# KiCad board FrontEnd_5G.kicad_pcb (continued)
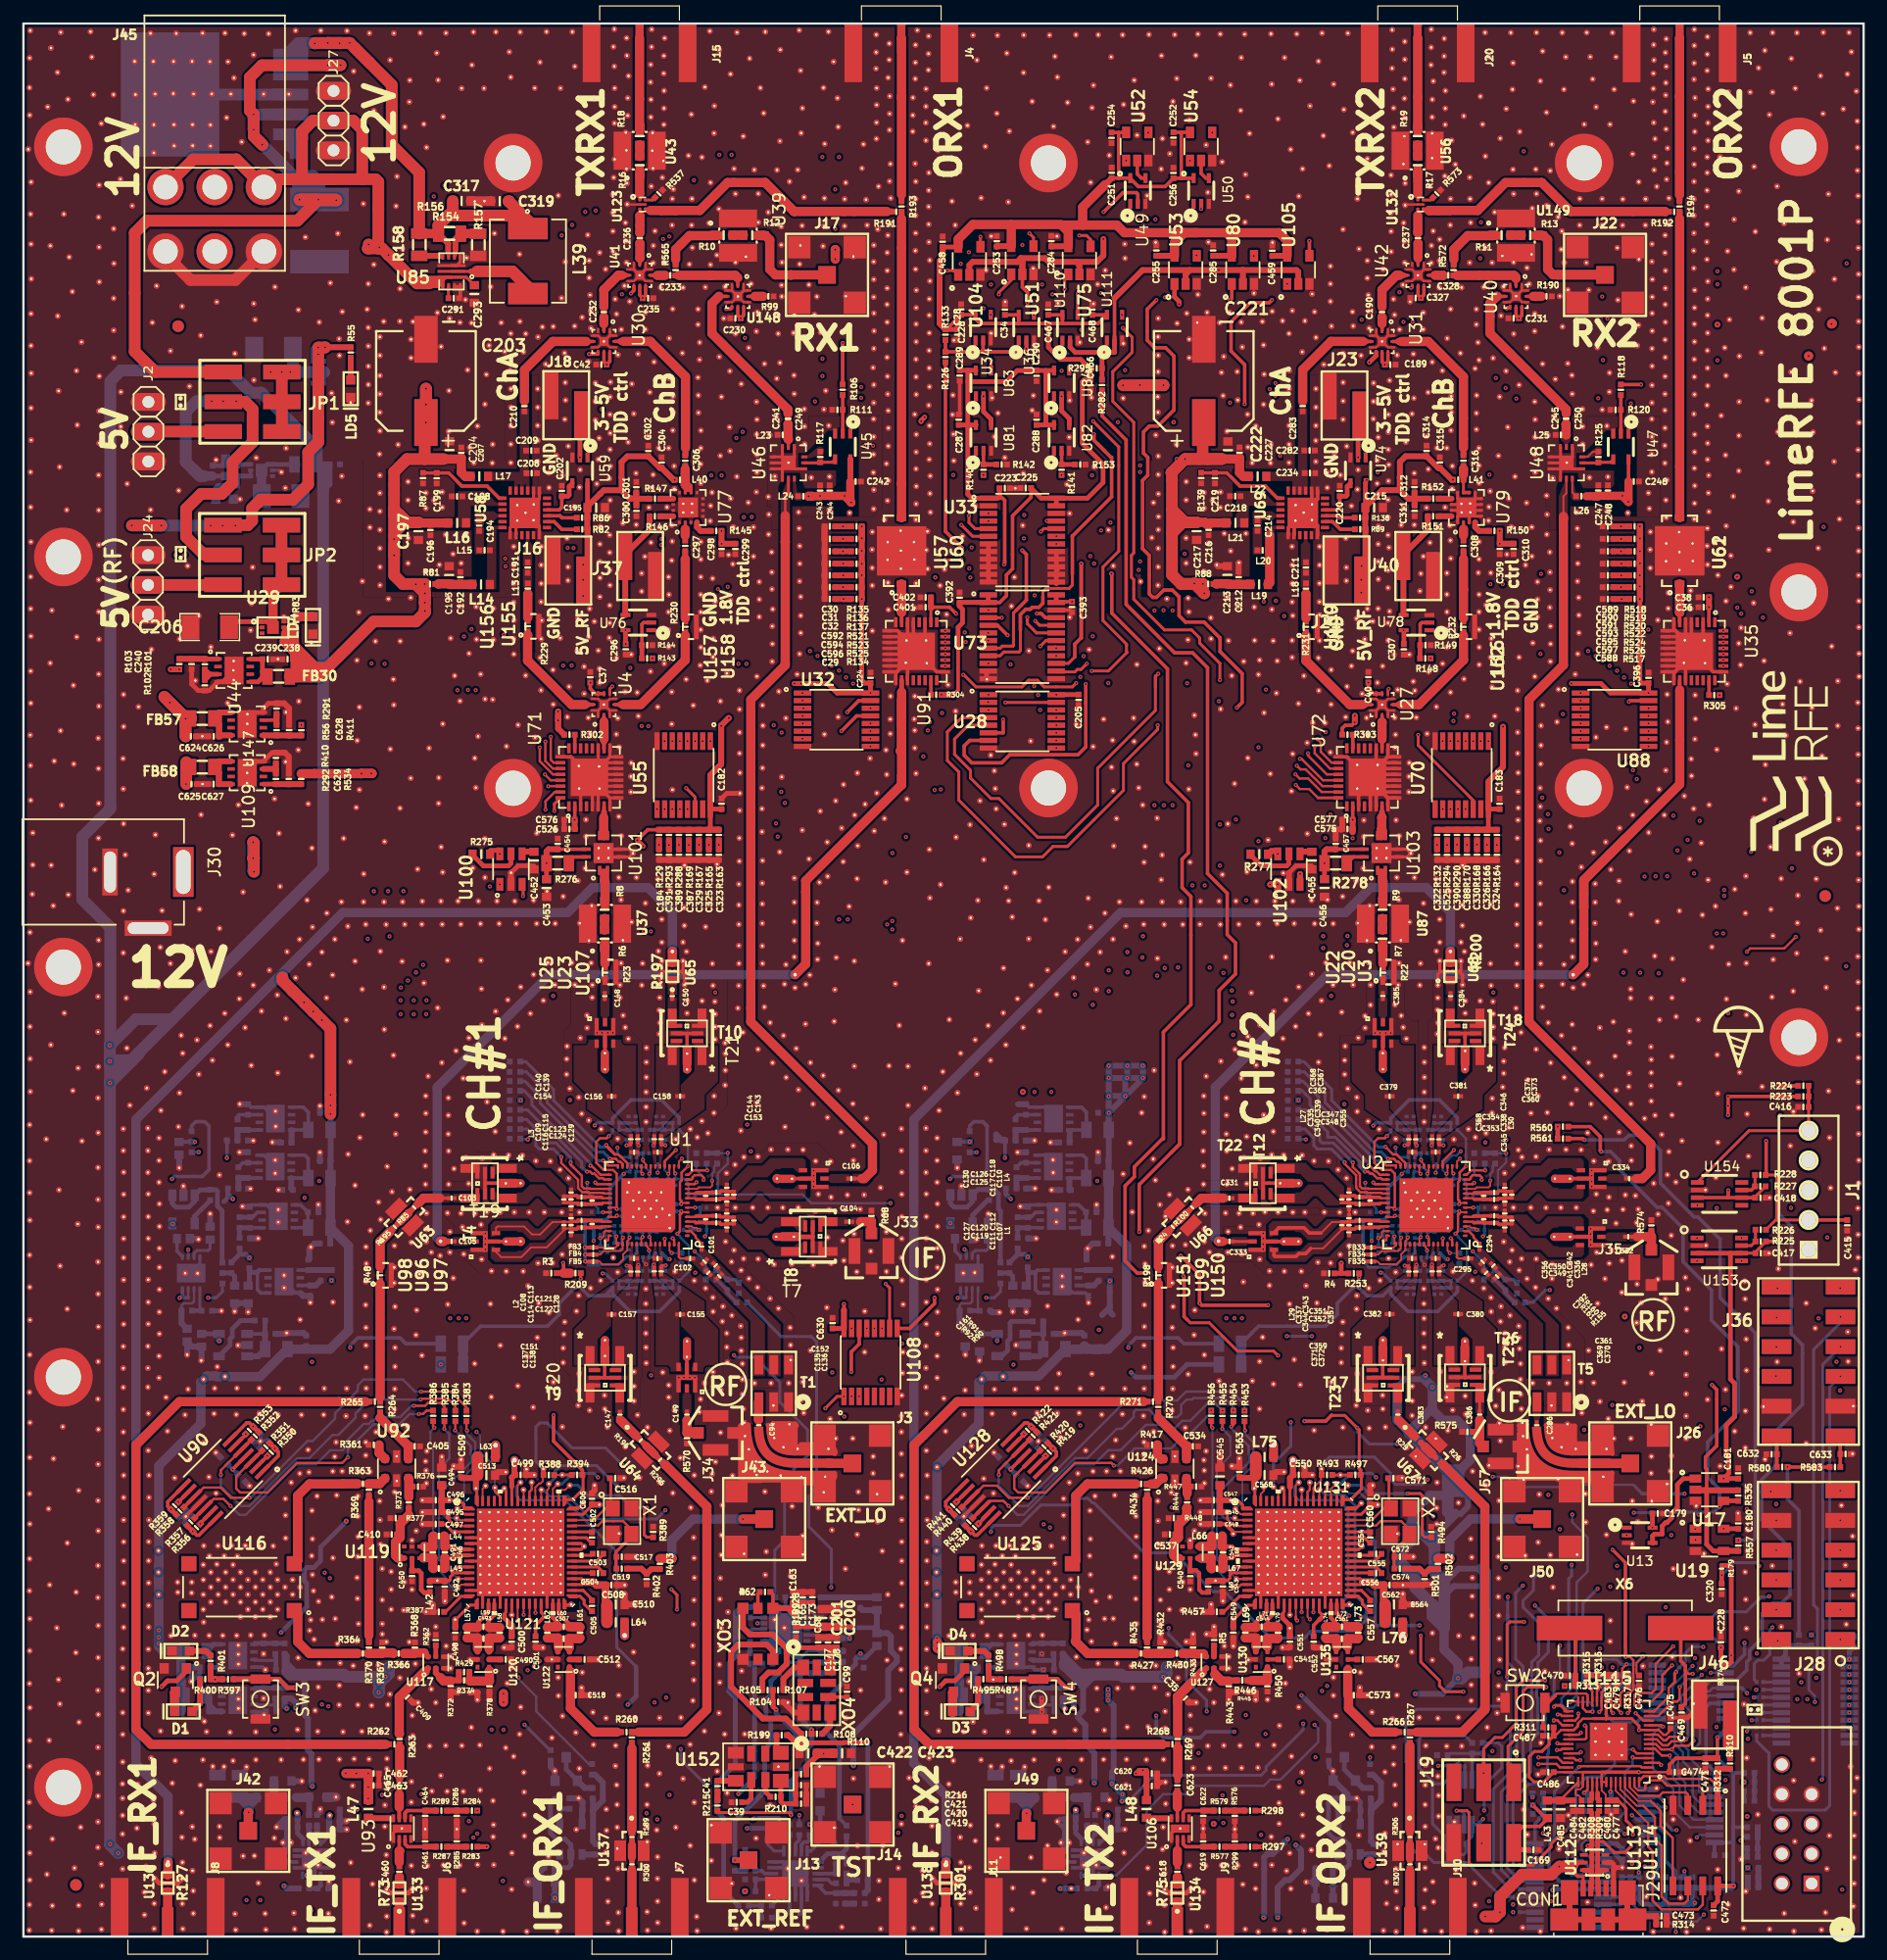
[diagram p0: board, top side]
## Routing (per net, layer and track width the routed paths; a pad name or vN(x,y) marks a point on that pad's centre or on a via; arc(x,y) is an arc through that point) (continued)
/RF/RX_ISOL_1_1V8: length 44.8
  F.RO w0.3: v1(60.01,138.9) 60.35,138.9 U39.7
  F.FR4 w0.3: v1(61.61,136.43) 63.32,136.43 63.63,136.12 66.01,136.12 67.7,137.81 68.98,137.81 70.3,139.13 72.55,139.13 73.31,139.89 75.98,139.89 76.04,139.83 76.45,139.83 77.03,140.41 81.4,140.41 v1(81.41,140.4)
  B.FR4 w0.25: 82.4,121.46 v1(82.4,121.46) 82.02,121.84 82.02,123.06 81.8,123.28
  B.FR4 w0.3: v1(61.61,136.43) 61.61,136.95 60.45,138.11 60.45,138.46 v1(60.01,138.9) ; v1(81.41,140.4) 81.38,140.37 81.38,123.7 81.8,123.28
/RF/RX_ISOL_1_3V3: length 24.1
  F.RO w0.25: v1(87.39,120.82) 87.4,120.81 U33.21
  F.FR4 w0.25: v1(87.87,140.15) v1(86.3,140.15)
  B.FR4 w0.25: v1(87.87,140.15) 87.75,140.03 87.75,135.93 87.56,135.74 87.56,129.51 87.17,129.12 87.17,126.23 87.63,125.77 87.63,123.5 87.39,123.26 v1(87.39,120.82) ; v1(86.29,138.41) 86.28,138.41 86.3,138.43 v1(86.3,140.15)
/RF/RX_ISOL_2_1V8: length 76.5
  F.RO w0.25: v1(126.66,138.94) 126.77,139.05 U40.7 ; v1(80.74,121.25) 80.74,120.67 81.26,120.16 U33.5
  F.FR4 w0.25: 82.35,143.75 81.35,143.75 ; 82.35,143.75 94.93,143.75 95.37,144.19 95.56,144.19 95.92,143.83 99.15,143.83 99.51,144.19 100.64,144.19 100.64,144.16 101.02,143.78 102.34,143.78 102.75,144.19 105.29,144.19 ; 82.35,143.75 v1(80.73,143.75) ; 105.33,144.19 105.83,143.69 107.97,143.69 108.47,144.19 111.35,144.19 112.3,143.24 114.09,143.24 114.56,143.71 115.59,143.71 116.09,143.21 117.21,143.21 117.58,143.58 118.35,143.58 120.21,141.72 120.85,141.72 122.8,139.77 124.68,139.77 125.51,138.94 v1(126.66,138.94)
  F.FR4 w0.3: 105.29,144.19 105.33,144.19
  B.FR4 w0.25: v1(80.73,143.75) 80.73,122.89 80.54,122.7 80.54,121.45 v1(80.74,121.25)
/RF/RX_ISOL_2_3V3: length 24.1
  F.RO w0.25: v1(93.81,138.4) U111.4
  F.FR4 w0.25: 92.85,120.68 92.83,120.67 92.34,120.67
  F.FR4 w0.3: v1(92.82,120.67) 89.36,120.67 v1(88.2,119.5)
  B.FR4 w0.25: v1(92.82,120.67) 92.82,130.14 92.45,130.51 92.45,133.6 93.13,134.28 93.13,137.72 v1(93.81,138.4)
  B.FR4 w0.3: v1(88.2,119.5) 88.2,119.51 88.19,119.51
/RF/TX\rx_1: length 42.6
  F.RO w0.3: v1(85.65,135.5) 85.4,135.25 81.77,135.25 ; v1(85.65,135.5) 85.65,136.21 ; v1(85.65,135.5) 85.64,135.51 U36.2 ; U51.2 85.3,140.76 85.73,140.33 v1(85.73,139.43) ; v1(92.24,147.18) 93.89,148.83 95.03,148.83 95.16,148.7 U49.2 ; 81.77,135.25 81.95,135.43 U34.2 ; 81.77,135.25 R126.1 R133.1
  F.RO w0.5: 83.85,142.92 81.05,142.92 80.77,142.64 U104.2 ; 83.85,142.92 85.24,142.92 85.3,142.86 85.3,142.53 ; 83.85,142.92 84.85,142.92 85.17,143.24 ; 85.3,142.53 U51.2 ; 85.3,142.53 85.3,143.11 85.17,143.24 ; 89.91,142.92 90.17,142.66 U75.2 ; 89.91,142.92 87.56,142.92 87.24,143.24 85.17,143.24 ; 89.91,142.92 91.67,142.92 92.22,143.47 v1(92.22,144.87)
  B.FR4 w0.3: v1(85.73,139.43) 85.73,138.81 85.65,138.73 v1(85.65,135.5)
  B.FR4 w0.5: v1(92.22,144.87) 92.22,147.16 v1(92.24,147.18)
/RF/TX\rx_2: length 39
  F.RO w0.3: 93.17,139.83 U111.2 ; v1(100.56,147.45) 100.57,147.46 U50.2
  F.RO w0.4: U111.2 93.17,135.21 93.16,135.2 92.1,135.2 ; 92.1,135.2 89.81,135.2 89.37,135.64 U110.2 ; 92.1,135.2 R295.1 R282.1
  F.RO w0.5: 104.1,142.22 108.71,142.22 108.86,142.07 U105.2 ; 104.1,142.22 104.1,142.2 104.11,142.2 104.13,142.22 U80.2 ; 104.1,142.22 v1(102.07,142.22) 99.61,142.22 ; 93.17,139.83 95.56,142.22 99.61,142.22 ; 99.61,142.22 99.24,141.85 U53.2
  B.FR4 w0.3: v1(100.56,147.45) 100.56,147.23 100.98,146.81 101.69,146.81 102.66,145.84 102.66,142.81 v1(102.07,142.22)
/RF/tx_RX_1_1V8: length 63.3
  F.RO w0.25: U41.7 52.13,140.66
  F.RO w0.3: v1(51.87,140.23) 52.13,140.49 U41.7
  F.FR4 w0.25: v1(82.4,120.81) 84.62,120.81 85.14,121.32 v1(85.46,121.32)
  F.FR4 w0.3: 75.22,143.05 73.55,143.05 72.58,142.08 69.01,142.08 68.63,141.7 60.31,141.7 60.26,141.65 54.32,141.65 53.4,140.73 52.37,140.73 v1(51.87,140.23) ; 75.22,143.05 75.24,143.03 ; 75.22,143.05 75.29,143.12 76.49,143.12 77.27,143.9 79.35,143.9 79.81,144.36 82.25,144.36 ; 82.25,144.36 82.41,144.36 ; 82.25,144.36 v1(85.3,144.36)
  B.FR4 w0.25: v1(82.4,120.81) 82.4,120.81
  B.FR4 w0.3: v1(85.3,144.36) 85.12,144.18 85.12,136.62 84.59,136.09 84.59,133.65 84.46,133.52 84.46,124.99 85.46,123.99 v1(85.46,121.32)
/RF/tx_RX_1_3V3: length 32.6
  F.RO w0.25: v1(82.62,140.99) 82.6,140.99 ; v1(86.88,119.9) 86.88,119.91 87.12,120.16 U33.20
  F.FR4 w0.25: v1(82.62,140.99) v1(86.98,140.99)
  B.FR4 w0.25: 86.98,135.22 86.98,137.72 ; 86.98,135.22 86.98,129.97 86.31,129.3 86.31,126.09 86.84,125.56 86.84,122.29 86.69,122.14 86.69,120.09 v1(86.88,119.9) ; 86.98,135.22 86.98,141 v1(86.98,140.99) ; v1(82.6,138.41) 82.62,138.43 v1(82.62,140.99)
/RF/tx_RX_2_1V8: length 66.9
  F.RO w0.25: v1(118.48,140.71) 118.58,140.81 U42.7 ; v1(80.08,120.47) 81.05,119.5 U33.6 81.67,119.5
  F.FR4 w0.25: v1(80.04,142.76) 85.17,142.76 85.17,142.81 85.45,143.09 87.09,143.09 87.46,142.72 110.02,142.72 110.92,141.82 112.53,141.82 112.85,142.14 115.26,142.14 115.85,141.55 118.24,141.55 118.48,141.31 v1(118.48,140.71)
  B.FR4 w0.25: 80.04,120.51 80.04,121.2 ; 80.04,120.51 v1(80.08,120.47) 80.04,120.51 ; 80.04,120.51 80.04,121.2 ; 80.04,121.2 v1(80.04,142.76)
/RF/tx_RX_2_3V3: length 28.7
  F.RO w0.25: v1(90.07,140.24) 90.02,140.19 U110.4
  F.FR4 w0.25: v1(92.03,140.26) 92.01,140.24 v1(90.07,140.24) ; 92.01,120.02 91.96,120.06 v1(92.02,120)
  F.FR4 w0.3: v1(92.02,120) 89.61,120 88.48,118.87 88.21,118.87 v1(88.2,118.86)
  B.FR4 w0.25: v1(92.02,120) 92.02,129.46 91.84,129.64 91.84,136.31 92.02,136.49 92.02,140.25 v1(92.03,140.26)
  B.FR4 w0.3: v1(88.2,118.86) 88.2,118.85
/RP2040_MCU/DATA: length 13.7
  F.RO w0.2: v2(140,17.91) 139.88,18.03 U115.11
  B2.RO w0.2: U11.14 142.29,9.33 140.87,10.75 140.87,12.62 139.13,14.36 139.13,17.27 139.77,17.91 v2(140,17.91)
/RP2040_MCU/MCU_GPIO0: length 21.5
  F.RO w0.2: v2(132.83,14.48) 132.89,14.54 138.08,14.54 138.19,14.43 U115.2
  B2.RO w0.2: 132.77,14.42 v2(132.83,14.48)
  B2.RO w0.25: 130.29,6.13 130.3,6.14 ; 130.3,5.61 130.3,7.99 130.75,8.44 130.75,12.4 132.77,14.42
  B2.RO w0.3: 130.3,6.14 130.3,5.61 131.23,4.69 U24.6
/RP2040_MCU/MCU_GPIO1: length 32
  F.RO w0.2: v2(139.84,14.65) 139.66,14.83 U115.3
  F.FR4 w0.25: v2(130.58,3.96) 131.01,3.53 133.98,3.53 134.73,2.78 140.69,2.78 v2(141.68,1.79)
  B.FR4 w0.25: 139.34,8.99 139.34,11.35 138.77,11.92 138.77,12.98 139.34,13.55 139.34,14.15 v2(139.84,14.65)
  B.FR4 w0.3: v2(141.68,1.79) 140.06,3.41 140.06,8.27 139.34,8.99
  B2.RO w0.4: v2(130.58,3.96) 130.58,4.01 130.61,4.04 U24.7
/RP2040_MCU/MCU_GPIO2: length 20
  F.RO w0.2: v2(137.41,15.3) 137.48,15.23 U115.4
  B2.RO w0.2: 136.7,10.56 136.75,10.61 136.75,14.04 137.41,14.7 v2(137.41,15.3) ; 136.7,10.56 136.06,9.92 ; 136.7,10.56 136.06,9.92 ; 133.48,9.65 134.04,10.21 135.07,10.21 135.36,9.92 135.56,9.92 ; 135.56,9.92 136.06,9.92 ; 135.56,9.92 136.06,9.92
  B2.RO w0.25: 134.01,5.34 133.94,5.26 132.19,5.26 131.82,5.63 131.82,8.05 132.84,9.07 133.44,9.07 133.44,9.61 133.48,9.65
  B2.RO w0.3: U24.5 134.01,5.34
/RP2040_MCU/MCU_GPIO3: length 33
  F.RO w0.2: U115.5 137.77,15.63 v2(137.44,15.96)
  F.RO w0.25: v2(122.38,10.74) 123.27,10.74 123.44,10.57 123.44,6.28 123.63,6.09 128.9,6.09 130.45,7.64 130.45,7.91 131.58,9.04 v2(131.66,9.04)
  B2.RO w0.2: v2(137.44,15.96) 136.13,15.96 135.88,15.71 135.88,14.72 135.25,14.09 ; 132.65,10.02 132.47,9.84
  B2.RO w0.25: 134.78,13.62 133.78,13.62 ; 134.78,13.62 135.25,14.09 ; 134.78,13.62 135.8,14.64 ; 134.78,13.62 133.78,13.62 ; 134.78,13.62 133.77,13.62 ; 133.78,13.62 133.77,13.62 ; 132.58,9.92 132.58,12.72 133.48,13.62 133.77,13.62 ; 132.58,9.92 132.58,9.95 132.47,9.84 ; 132.58,9.92 132.54,9.92 v2(131.66,9.04) ; U163.2 123.05,10.44 122.75,10.74 v2(122.38,10.74)
/RP2040_MCU/MCU_GPIO9: length 61
  F.RO w0.2: v2(137.67,19.06) 138.31,18.43 U115.12
  F.FR4 w0.25: v2(143.19,43.55) 141.3,43.55 140.18,44.67 136.37,44.67 v2(135.67,45.37)
  B.FR4 w0.25: 143.2,55.28 143.2,56.31 144.19,57.31 144.19,60.3 142.93,61.56 v2(142.93,62.41) ; 143.2,55.28 143.2,55.16 ; 143.2,55.28 143.2,45.53 143.19,45.53 v2(143.19,43.55) ; v2(135.67,45.37) 136.6,44.44 136.6,35.53 135.98,34.92 135.98,33.71 137.36,32.33 137.36,30.14 ; 137.36,26.94 137.36,30.14 ; 137.36,26.94 137.36,30.14 ; 137.36,26.94 136.64,26.22 136.64,24.92 137.47,24.09 137.47,22.52 137.67,22.32 v2(137.67,19.06)
  B2.RO w0.25: 142.93,62.42 v2(142.93,62.41)
/RP2040_MCU/MCU_GPIO10: length 45.2
  F.RO w0.2: U115.13 139.61,18.83 140.83,20.06 141.21,20.06 141.42,20.27 v2(141.42,21.28)
  B.FR4 w0.2: 144.36,32.91 144.36,30.95 144.18,30.77 144.18,28.17 143.45,27.44 143.45,26.04 143.05,25.64 143.05,25.08 142.93,24.96 142.93,24.5 143.05,24.38 143.05,24.14 143.42,23.77 143.42,23.74 143.17,23.49 143.17,23.02 143.3,22.89 143.3,22.32 v2(143.31,22.34)
  B.FR4 w0.25: 144.36,32.91 144.36,33.26 143.84,33.78 143.84,37.1 142.68,38.26 142.68,44.55 141.25,45.98 141.25,52 141.37,52.12 141.37,56.73 142.31,57.67 v2(142.91,57.67)
  B2.RO w0.2: v2(143.31,22.34) 142.95,21.98 142.11,21.98 v2(141.42,21.28)
  B2.RO w0.25: v2(142.91,57.67) 142.91,57.68
/RP2040_MCU/MCU_GPIO11: length 48.6
  F.RO w0.2: 141.02,21.75 140.49,21.22 140.49,20.47 139.26,19.23 U115.14
  F.RO w0.25: v2(141.13,22.59) 141,22.46 141,21.73
  F.FR4 w0.2: v2(148.01,24.17) 146.67,24.17 145.47,25.37 144.1,25.37 v2(143.44,24.71)
  B.FR4 w0.25: v2(148.01,24.17) 148.26,24.42 148.26,30.8 148.17,30.8 147.53,31.44 147.53,32.3 147.83,32.59 147.83,45.47 146.37,46.93 146.37,52.09 146.32,52.15 146.32,56.66 146.71,57.05 v2(146.71,57.67)
  B2.RO w0.2: v2(143.44,24.71) 143.48,24.75 143.45,24.75
  B2.RO w0.25: 146.71,57.68 v2(146.71,57.67) ; v2(141.13,22.59) 141.13,22.68 141.9,23.45 141.9,24.17 142.48,24.75 143.45,24.75
/RP2040_MCU/MCU_GPIO13: length 23.5
  F.RO w0.2: v2(140.87,24.76) 139.38,23.27 139.38,21.13 139.05,20.8 137.75,20.8 137.56,20.61 U115.16
  F.RO w0.25: v2(155.91,22.37) 155.91,22.37
  F.FR4 w0.25: v2(140.87,24.76) 141.08,24.55 142.86,24.55 143.21,24.2 143.93,24.2 144.69,23.45 148.2,23.45 149,24.25 153.64,24.25 155.52,22.37 v2(155.91,22.37)
/RP2040_MCU/MCU_GPIO13_EXT: length 38.5
  F.RO w0.25: v2(149.77,55.31) 149.7,55.38 J36.1
  B.FR4 w0.2: v2(149.77,55.31) 149.77,55.3
  B.FR4 w0.25: 151.07,36.43 151.07,28.11 v2(149.34,26.38) ; 151.07,36.43 151.07,37.04 151.04,37.07 ; 151.07,36.43 151.07,37.43 149.29,39.21 149.29,46.55 148.36,47.49 ; 149.77,55.3 147.88,53.41 ; 147.88,53.41 147.94,53.47 ; 147.88,53.41 147.88,47.96 148.36,47.49 ; 148.36,47.49 148.39,47.45
  B2.RO w0.25: v2(149.34,26.38) 149.11,26.15 149.11,24.08 148.62,23.59 148.11,23.59 147.81,23.29 147.81,22.93 ; 147.81,22.93 147.81,22.83 ; 147.81,22.93 147.81,21.92 148,21.72
/RP2040_MCU/MCU_GPIO18: length 37.4
  F.RO w0.25: v2(130.69,19.61) 130.81,19.73 131.27,19.73 131.77,19.23 U115.29
  B.FR4 w0.2: 137.02,2.64 135.64,4.02 135.64,5.41 134.08,6.97 133.53,6.97 133,7.5 133,11.1 131.99,12.11 131.99,14.22 132.26,14.49 132.26,17.44 132.3,17.48 132.3,18.67 131.36,19.61 ; 137.02,2.64 137.01,2.65 ; 137.02,2.64 139.73,2.64 141.17,1.2 143.17,1.2 143.49,1.52 v2(143.49,1.88)
  B.FR4 w0.25: v2(130.69,19.61) 131.36,19.61
  B2.RO w0.2: v2(143.49,1.88) 142.89,1.28 141.47,1.28 140.66,2.09 138.06,2.09 136.99,3.17 R177.1
/RP2040_MCU/MCU_GPIO18_EXT: length 46.6
  F.RO w0.3: v2(127.2,2.74) 127.21,2.74
  F.FR4 w0.25: v2(135.5,29.86) 135.94,30.3 139.66,30.3 139.81,30.15 143.4,30.15 144,29.55 145.74,29.55 146.34,30.15 147.38,30.15 147.67,30.44 v2(149.68,30.44)
  B.FR4 w0.25: v2(135.5,29.86) 135.5,29.71 131.83,26.03 131.83,22.45 130.92,21.53 130.92,21.37 130.36,20.81 129.65,20.81 129.14,20.3 129.14,18.04 126.53,15.43 126.53,3.42 v2(127.2,2.74)
/RP2040_MCU/MCU_GPIO19: length 32.2
  F.RO w0.2: v2(131.01,18.95) 131.25,18.95 131.37,18.83 U115.30
  B.FR4 w0.2: 131.51,15.65 131.51,16.88 131.34,17.05 131.34,18.68 131.07,18.95 v2(131.01,18.95) ; 131.51,15.65 131.5,15.64 ; 131.51,15.65 131.51,14.3 131.08,13.87 131.08,8.64 132.69,7.03 132.86,7.03 134.42,5.47 134.42,3.1 135.63,1.89 136.28,1.89 136.81,1.36 139.86,1.36 140.82,0.4 v2(141.1,0.4)
  B2.RO w0.2: v2(141.1,0.4) 141.1,0.73 140.29,1.54 137.79,1.54 137.14,2.19 136.41,2.19
/RP2040_MCU/MCU_GPIO19_EXT: length 49.9
  F.FR4 w0.25: v2(149.68,32.98) 148.99,32.28 145.24,32.28 144.33,31.38 141.88,31.38 141.18,32.08 139.69,32.08 139.27,31.66 136.1,31.66 v2(136.08,31.64)
  B.FR4 w0.2: 132.61,21.29 132.61,25.44 133.28,26.11 133.28,26.67 135.19,28.58 135.75,28.58 136.08,28.91 v2(136.08,31.64)
  B.FR4 w0.25: 128.15,13.43 128.15,15.24 128.15,15.99 129.73,17.57 129.73,19.55 130.69,20.51 131.5,20.51 131.85,20.86 132.18,20.86 132.61,21.29 ; 127.72,8.7 127.72,6.57 128.15,6.14 128.15,3.46
  B.FR4 w0.3: 127.72,8.7 127.38,9.04 127.38,12.54 128.15,13.31 128.15,13.43 ; v2(127.2,2.09) 127.69,2.09 128.15,2.55 128.15,3.46
  B2.RO w0.25: 149.68,32.99 v2(149.68,32.98)
/RP2040_MCU/MCU_GPIO20: length 31.5
  F.RO w0.2: v2(132.78,19.03) 132.78,18.72 132.49,18.43 U115.31 ; v2(155.91,23.02) 155.91,23.01
  F.FR4 w0.2: 145.88,26.27 146.38,25.77 147.49,25.77 148.57,24.69 153.91,24.69 155.58,23.02 v2(155.91,23.02) ; 145.88,26.27 145.87,26.28 ; 145.88,26.27 145.54,26.61 143.83,26.61 142.86,25.64 137.18,25.64 136.12,24.58 v2(134.62,24.58)
  B.FR4 w0.2: v2(134.62,24.58) 134.13,24.58 133.24,23.69 133.24,19.81 132.78,19.35 v2(132.78,19.03)
/RP2040_MCU/MCU_GPIO23: length 28.6
  F.RO w0.2: U115.35 133.35,16.83 133.46,16.94 133.46,17.94 133.33,18.07 v2(133.33,18.01)
  F.RO w0.25: v2(155.91,21.72) 155.91,21.72
  F.FR4 w0.2: v2(133.33,18.01) 133.75,18.43 138.09,18.43 140.38,20.72 141.75,20.72
  F.FR4 w0.25: 141.75,20.72 142.33,21.31 143.81,21.31 145.41,22.91 148.65,22.91 149.49,23.75 153.21,23.75 155.25,21.72 v2(155.91,21.72)
/RP2040_MCU/MCU_GPIO23_EXT: length 41
  F.RO w0.25: v2(149.71,52.82) 149.7,52.83 J36.2
  F.FR4 w0.25: v2(151.81,21.7) 151.65,21.55 149.01,21.55 148.54,21.07 v2(147.95,21.07) ; v2(149.71,52.82) 149.73,52.8 152.16,52.8 152.2,52.76 v2(153.29,52.76)
  B.FR4 w0.25: v2(153.29,52.76) 154.16,51.89 154.16,51.11 152.83,49.78 152.83,40.6 153.13,40.3 153.13,27.34 152.14,26.35 152.14,25.57 152.14,25.65 152.14,24.49 152.53,24.1 152.53,22.32 151.91,21.7 v2(151.81,21.7)
  B2.RO w0.25: v2(147.95,21.07) 148,21.07
/RP2040_MCU/MCU_GPIO24: length 29.7
  F.RO w0.2: v2(130.98,16.5) 131.05,16.43 U115.36
  F.RO w0.25: v2(155.91,21.06) 155.91,21.06
  F.FR4 w0.2: 143.7,20.34 143.69,20.34 143.65,20.38 142.26,20.38 141.18,19.3 140.47,19.3 140.01,18.84 139.72,18.84 138.93,18.04 138.93,17.74 138.35,17.17 133.92,17.17 133.43,16.67 131.15,16.67 v2(130.98,16.5)
  F.FR4 w0.25: 143.7,20.34 145.71,22.34 149.25,22.34 149.97,23.06 153.1,23.06 155.1,21.06 v2(155.91,21.06)
/RP2040_MCU/MCU_GPIO24_EXT: length 39.8
  F.RO w0.25: v2(149.69,50.32) 149.7,50.33 J36.3
  F.FR4 w0.25: 153.11,21.92 152.08,20.9 151.15,20.9 150.92,20.66 148.17,20.66 147.92,20.41 v2(147.75,20.41) ; 153.11,21.92 153.12,21.93 ; 153.11,21.92 153.11,22.06 v2(153.09,22.08) ; v2(149.69,50.32) 150.96,49.05 v2(154.81,49.05)
  B.FR4 w0.25: v2(154.81,49.05) 154.17,48.41 154.17,38.94 154,38.77 154,26.16 153.33,25.49 153.33,22.68 153.09,22.44 v2(153.09,22.08)
  B2.RO w0.25: v2(147.75,20.41) 147.76,20.42 148,20.42
/RP2040_MCU/MCU_GPIO25: length 30.1
  F.RO w0.2: v2(130.94,15.92) 131.28,15.92 131.39,16.03 U115.37
  F.RO w0.25: v2(155.91,20.42) 155.91,20.41
  F.FR4 w0.2: v2(130.94,15.92) 131.89,15.92 132.21,16.24 133.31,16.24 133.49,16.06 136.79,16.06 137.35,16.63 139.36,16.63 140.86,18.14 141.27,18.14 142.42,19.28 143.31,19.28 144.19,20.16 144.89,20.16 147.05,18 147.37,18 147.72,17.65 148.36,17.65 148.91,18.2 151.83,18.2 153.6,19.97 153.6,19.98 154.04,20.42 v2(155.91,20.42)
/RP2040_MCU/MCU_GPIO25_EXT: length 40.8
  F.RO w0.25: v2(149.65,47.83) 149.68,47.8 J36.4
  F.FR4 w0.25: v2(149.65,47.83) 150.88,46.6 v2(155.12,46.6) ; v2(147.8,19.77) 148.01,19.77 148.33,20.09 151.3,20.09 v2(151.46,20.25)
  B.FR4 w0.25: 154.51,29.97 154.51,30.69 154.71,30.89 154.71,32.44 154.56,32.59 154.56,33.32 154.71,33.47 154.71,34.97 154.48,35.2 154.48,35.87 154.73,36.12 155.71,36.12 155.91,36.32 155.91,39.41 155.04,40.28 155.04,46.52 v2(155.12,46.6) ; 154.51,29.97 154.71,29.77 ; 154.51,29.97 154.71,29.77 ; 154.71,29.77 154.71,28.48 154.55,28.32 154.55,27.34 154.71,27.18 154.71,25.98 154.45,25.72 154.45,25.28 153.95,24.78 153.95,22.67 154.08,22.54 154.08,22.02 153.35,21.29 152.5,21.29 v2(151.46,20.25)
  B2.RO w0.25: v2(147.8,19.77) 148,19.77
/RP2040_MCU/MCU_GPIO26: length 27.2
  F.RO w0.2: v2(132.98,15.74) 132.87,15.63 U115.38 ; v2(155.91,19.77) 155.91,19.76
  F.FR4 w0.2: v2(132.98,15.74) 133.26,15.74 134.12,14.88 136.93,14.88 137.27,14.54 138.07,14.54 138.67,13.94 140.8,13.94 142.19,15.33 145.33,15.33 146.34,16.34 147.81,16.34 148.97,17.5 152.02,17.5 154.28,19.77 v2(155.91,19.77)
/RP2040_MCU/MCU_GPIO26_EXT: length 47.2
  F.RO w0.2: v2(155.13,55.33) 155.16,55.36 J36.7
  F.FR4 w0.2: v2(147.41,19.11) 148.45,19.11 148.95,19.61 151.69,19.61 v2(152.33,20.25)
  B.FR4 w0.25: v2(152.33,20.25) 152.84,20.76 153.71,20.76 154.47,21.52 154.47,23.78 155.67,24.98 155.67,24.96 156.66,25.95 156.66,27.8 155.55,28.91 155.55,29.59 155.53,29.61 156.73,30.81 156.73,32.34 155.46,33.61 155.46,34.56 156.8,35.9 156.8,43.83 155.69,44.94 155.69,45.67 156.8,46.78 156.8,53.67 v2(155.13,55.33)
  B2.RO w0.2: v2(147.41,19.11) 148,19.11
/RP2040_MCU/MCU_GPIO27: length 27.3
  F.RO w0.2: v2(132.93,15.05) 132.58,15.05 132.4,15.23 U115.39 ; v2(155.91,19.12) 155.91,19.11
  F.FR4 w0.2: v2(132.93,15.05) 133,15.05 133.59,14.46 134.14,14.46 134.14,14.46 136.7,14.46 137.61,13.55 142.39,13.55 142.81,13.97 142.81,14.5 143.19,14.88 145.78,14.88 146.74,15.84 148.17,15.84 149.23,16.9 152.49,16.9 154.7,19.12 v2(155.91,19.12)
/RP2040_MCU/MCU_GPIO27_EXT: length 40.9
  F.FR4 w0.2: v2(152.97,20.01) 151.9,18.95 148.82,18.95 148.35,18.47 v2(147.58,18.47)
  B2.RO w0.2: 152.46,21.04 152.97,20.53 v2(152.97,20.01) ; v2(147.58,18.47) 148,18.47
  B2.RO w0.25: v2(155.16,52.88) 155.16,52.39 152.86,50.09 152.86,28.31 153.19,27.98 153.19,23.33 152.46,22.6 152.46,21.04
/RP2040_MCU/MCU_GPIO28: length 32.4
  F.RO w0.2: v2(129.37,15.29) 130.99,15.29 131.45,14.83 U115.40 ; v2(155.91,18.47) 155.91,18.47
  F.FR4 w0.2: 148.39,15.31 147.49,14.41 144.82,14.41 143.54,13.13 137.22,13.13 136.51,13.84 132.18,13.84 131.17,14.85 130.08,14.85 129.64,15.29 v2(129.37,15.29) ; 148.39,15.31 148.4,15.31 ; 148.39,15.31 149.42,16.34 152.88,16.34 155,18.47 v2(155.91,18.47)
/RP2040_MCU/MCU_GPIO28_EXT: length 46.7
  F.RO w0.25: v2(155.16,50.33) J36.9
  B.FR4 w0.2: v2(147.17,17.52) 147.53,17.52 147.92,17.13
  B.FR4 w0.3: v2(153.57,13.39) 151.15,15.81 149.24,15.81 147.92,17.13
  B2.RO w0.25: v2(155.16,50.33) 153.65,48.82 153.65,13.47 v2(153.57,13.39) ; 148,17.82 147.47,17.82 v2(147.17,17.52)
/RP2040_MCU/MCU_GPIO29: length 33.2
  F.RO w0.2: v2(129.36,14.71) 129.39,14.74 130.9,14.74 131.21,14.43 U115.41 ; v2(155.91,17.81) 155.91,17.81
  F.FR4 w0.2: v2(129.36,14.71) 132.45,11.62 133,11.62 133.15,11.47 133.94,11.47 134.36,11.89 139.55,11.89 140.25,12.59 143.64,12.59 145.06,14 147.79,14 149.62,15.83 153.34,15.83 155.32,17.81 v2(155.91,17.81)
/RP2040_MCU/MCU_GPIO29_EXT: length 49
  F.RO w0.25: v2(155.15,47.8) J36.10
  B2.RO w0.25: v2(155.15,47.8) 154.23,46.88 154.23,11.17 153.86,10.8 149.37,10.8 149.04,11.12 149.04,15.65 ; 149.04,15.65 149.04,15.6 ; 149.04,15.65 148,16.69 148,17.16
/RP2040_MCU/MISO_1_EXT: length 55.9
  F.FR4 w0.25: 146.61,31.62 147.44,31.62 148.03,31.03 151.05,31.03 151.65,30.44 v2(155.14,30.44) ; 146.61,31.62 145.24,30.25 ; 146.61,31.62 145.24,30.25 ; 145.24,30.25 144.29,30.25 143.82,30.73 140.17,30.73 139.9,31 135.48,31 134.85,30.37 128.45,30.37 v2(128.04,29.96) ; v2(127.51,15.41) 126.67,14.57 v2(120.8,14.57)
  B2.RO w0.25: 128.05,20.83 128.05,17.91 127.51,17.36 v2(127.51,15.41) ; 128.05,20.83 128.03,20.84 ; 128.05,20.83 128.05,23.06 127.42,23.7 127.42,29.34 v2(128.04,29.96) ; v2(155.14,30.44) 155.14,30.45 ; v2(120.8,14.57) 120.81,14.58 122.22,14.58 122.73,15.09 R187.2 122.87,15.09
/RP2040_MCU/MOSI_1_EXT: length 60
  F.RO w0.25: v2(126.76,28.99) 126.75,28.99
  F.FR4 w0.25: 136.47,28.92 137.04,29.49 ; 136.47,28.92 137.04,29.49 ; 136.47,28.92 137.04,29.49 ; 136.47,28.92 134,28.92 133.64,29.28 127.08,29.28 126.79,28.99 v2(126.76,28.99) ; 142.67,29.49 143.4,28.75 146.09,28.75 146.77,29.44 147.9,29.44 148.23,29.77 149.65,29.77 151.52,27.9 v2(155.14,27.9)
  F.FR4 w0.3: 137.04,29.49 142.67,29.49
  B2.RO w0.25: 126.74,26.88 126.74,23.42 127.43,22.73 127.43,18.2 126.98,17.75 126.98,14.05 125.51,12.58 125.51,5.5 125.51,5.5 126.97,4.04 R188.2 ; 126.74,26.88 126.74,27.45 126.74,26.88 ; 126.74,26.88 126.74,28.97 v2(126.76,28.99) ; v2(155.14,27.9) 155.15,27.9
/RP2040_MCU/QSPI_CSn: length 13.1
  F.RO w0.2: U113.1 144.67,12.81 144.01,13.46 140.32,13.46 140.09,13.69 138.36,13.69 137.96,13.29 U115.56
  F.RO w0.5: U113.1 144.66,11.21 R312.2 R310.1
/RP2040_MCU/QSPI_SCK: length 15.4
  F.RO w0.15: 138.32,11.16 137.76,11.16 136.36,12.56 U115.52
  F.RO w0.2: U113.6 142.13,3.11 141.83,2.81 140.48,2.81 139.88,3.41 139.88,7.77 139.31,8.34 139.31,10.17 138.32,11.16
/RP2040_MCU/QSPI_SD0: length 11.9
  F.RO w0.15: U115.53 136.76,12.67 137.86,11.58 138.95,11.58
  F.RO w0.2: 139.8,10.12 139.8,10.13 139.8,9.43 ; 139.8,9.43 140.83,8.41 140.83,4.32 U113.5 ; 139.8,9.43 139.8,10.73 138.95,11.58
/RP2040_MCU/QSPI_SD1: length 11.3
  F.RO w0.15: 137.56,12.77 137.85,12.48 ; 137.56,12.77 137.85,12.48 ; 137.56,12.77 U115.55 ; 137.85,12.48 138.35,12.48 138.48,12.61
  F.RO w0.2: U113.2 143.4,12.37 U113.2 ; U113.2 143.4,12.54 143.05,12.88 140.37,12.88 139.92,13.33 138.91,13.33 138.48,12.9 138.48,12.61
/RP2040_MCU/QSPI_SD2: length 6.9
  F.RO w0.15: 138.33,12 137.91,12 137.16,12.74 U115.54
  F.RO w0.2: U113.3 142.13,12.14 141.96,12.3 139.98,12.3 139.68,12 138.33,12
/RP2040_MCU/QSPI_SD3: length 17.8
  F.RO w0.15: 139.11,6.53 139.11,6.53 ; 138.74,9.67 135.96,12.44 U115.51
  F.RO w0.2: U113.7 143.4,2.74 142.98,2.32 139.87,2.32 139.11,3.08 139.11,6.53 ; 138.74,9.67 138.74,7.65 139.11,7.28 139.11,6.53
/RP2040_MCU/RESETn: length 9.8
  F.RO w0.2: 130.79,20.58 130.95,20.74 133.43,20.74 133.56,20.61 U115.26
  F.RO w0.25: 130.8,20.59 129.76,19.55 R311.2 129.77,17.85 129.77,19.51 130.8,20.54 130.8,20.59 ; 130.8,20.59 130.79,20.58
/RP2040_MCU/RPI_BTN2_EXT: length 15.2
  F.RO w0.25: U154.1 147.35,68.78 J1.5 C416.1
  F.RO w0.3: C416.1 R223.1 R224.1
/RP2040_MCU/RPI_ID_SC_EXT: length 12.7
  F.RO w0.25: v2(154.03,59.67) 154.02,59.67
  F.FR4 w0.25: v2(154.03,59.67) 153.99,59.62 154.01,59.62 153.94,59.62
  F.FR4 w0.3: v2(146.71,59.62) 147.38,60.29 150.6,60.29 151.03,59.86 153.7,59.86 153.94,59.62
  B.FR4 w0.25: J1.3 154.03,62.11 v2(154.03,59.67)
  B2.RO w0.25: v2(146.71,59.62) 146.71,59.62 146.7,59.62
/RP2040_MCU/RPI_ID_SD_EXT: length 18.4
  F.FR4 w0.25: 145.37,59.99 145,59.62 v2(142.91,59.62)
  F.FR4 w0.3: 150.92,62.22 149.77,61.07 146.45,61.07 145.37,59.99
  B.FR4 w0.25: J1.4 150.93,64.73 v1(150.93,62.19)
  B.FR4 w0.3: J1.4 150.92,64.71 150.92,62.2 v1(150.93,62.19)
  B2.RO w0.25: v2(142.91,59.62) 142.91,59.62 142.9,59.62
/RP2040_MCU/SCLK_1_EXT: length 57.5
  F.FR4 w0.25: v2(129.66,31.34) 131.27,31.34 131.69,30.92 132.8,30.92 133.22,31.34 134.74,31.34 135.67,32.27 138.96,32.27 139.54,32.84 141.53,32.84 142.35,32.03 143.99,32.03 144.95,32.99 146.5,32.99 147.18,33.67 151.1,33.67 151.79,32.98 v2(155.14,32.98)
  B2.RO w0.25: 128.78,20.37 128.78,17.64 128.05,16.91 128.05,14.23 126.19,12.37 126.19,5.69 R182.2 ; 128.78,20.37 128.78,20.47 ; 128.78,20.37 128.78,23.42 129.39,24.02 129.39,26.78 128.06,28.11 128.06,28.68 128.94,29.56 128.94,30.62 v2(129.66,31.34) ; 155.15,32.97 v2(155.14,32.98)
/RP2040_MCU/SPI_2_MCU_DIR_OUT_in: length 46.6
  F.RO w0.25: v2(142.76,34.78) U19.1
  F.FR4 w0.25: 141.74,34.81 141.77,34.84 ; 141.77,34.84 141.18,34.25 140.73,34.25 v2(140.71,34.26) ; 141.77,34.84 142.71,34.84 v2(142.76,34.78)
  F.FR4 w0.3: 141.74,34.81 141.18,34.25 v2(136.91,34.25)
  B.FR4 w0.25: 140.89,27.54 140.89,25.85 140,24.96 140,22.75 140.83,21.91 140.83,20.38 143.33,17.88 143.33,15.59 142.89,15.15 v2(142.89,8.46) 144.82,6.53 145.18,6.53 145.84,5.87 v2(147.24,5.87) ; 140.89,27.54 140.89,27.6 ; 140.89,27.54 140.89,28.96 ; 140.82,30.23 140.89,30.16 140.89,30.19 140.89,28.96 ; 140.15,33.06 140.39,33.3 ; 140.15,33.06 140.39,33.3 ; 140.15,33.06 140.39,33.3 ; 140.15,33.06 140.15,30.96 140.89,30.22 140.89,28.96 ; 140.39,33.3 140.39,33.94 ; 140.39,33.3 140.39,33.94 ; 140.39,33.3 140.39,33.94 ; 140.39,33.94 v2(140.71,34.26) 140.39,33.94
  B2.RO w0.2: v2(142.89,8.46) 143.1,8.68 U11.15
/RP2040_MCU/SS_1_EXT: length 67.7
  F.RO w0.25: v2(126.69,22.17) 126.69,26.62 126.93,26.86 v2(128.14,26.86)
  F.FR4 w0.25: v2(128.14,26.86) 128.59,26.41 136.15,26.41 136.75,27.01 140.73,27.01 141.39,27.67 146.21,27.67 146.58,27.3 147.92,27.3 148.21,27 150.24,27 150.87,26.38 153.76,26.38 154.78,25.36 v2(155.14,25.36)
  B2.RO w0.25: v2(126.69,22.17) 126.69,19.88 126.47,19.66 124.59,19.66 124.33,19.4 118.95,19.4 118.05,18.5 118.05,14.92 118.5,14.47 118.5,7.58 119.21,6.87 119.89,6.87 120.44,6.32 123.26,6.32 125.25,4.33 125.25,4.33 126.2,3.38 R202.2
  B2.RO w0.3: 155.14,25.37 v2(155.14,25.36)
/RP2040_MCU/SWCLK: length 1.4
  F.RO w0.2: R316.1 134.49,21.09 134.36,20.96 U115.24
/RP2040_MCU/SWDIO: length 1.5
  F.RO w0.2: R315.1 133.96,20.94 U115.25
/RP2040_MCU/TX/rx_1_EXT: length 41.8
  F.RO w0.2: v2(149.8,25.25) 149.69,25.36 J28.7
  F.FR4 w0.2: v2(149.8,25.25) 149.27,25.78 148.53,25.78 ; 148.52,25.78 148.53,25.78 ; 148.53,25.78 147.45,26.85 146.13,26.85 145.8,27.18 142.06,27.18 141.38,26.5 137.09,26.5 136.44,25.85 132.21,25.85 v2(131.2,24.84)
  B2.RO w0.2: v2(131.2,24.84) 131.2,22.67 130.7,22.17
  B2.RO w0.25: 130.7,22.17 130.7,20.69 129.95,19.94 129.95,17.13 130.22,16.86 130.22,15.61 130.13,15.52 130.13,13.46 129.69,13.02 128.55,13.02 127.2,11.67 127.2,7.65 127.21,7.63 R180.2
/RP2040_MCU/TX/rx_2_EXT: length 46.9
  F.FR4 w0.25: 137.42,28.25 137.88,28.72 137.42,28.25 ; 137.42,28.25 v2(129.07,28.25) ; 141.8,28.72 142.29,28.23 146.39,28.23 146.73,27.9 v2(149.68,27.9)
  F.FR4 w0.3: 137.88,28.72 141.8,28.72
  B2.RO w0.25: v2(129.07,28.25) 130.21,27.12 130.21,24.26 129.33,23.38 129.33,21.53 129.21,21.41 129.21,20.49 129.33,20.37 129.33,17.35 128.7,16.72 128.7,14.06 126.69,12.05 126.69,5.86 R181.2